# Altium PCB DoubleMain.PcbDoc (part 1 of 3)
Units mm, origin at the board's own origin, x right, y up, seen from the top; angles counter-clockwise.
Board outline 152.4 x 101.6 mm, 2 copper layers (Top Layer, Bottom Layer); 202 components, 0 nets, 741 pads, 650 vias.
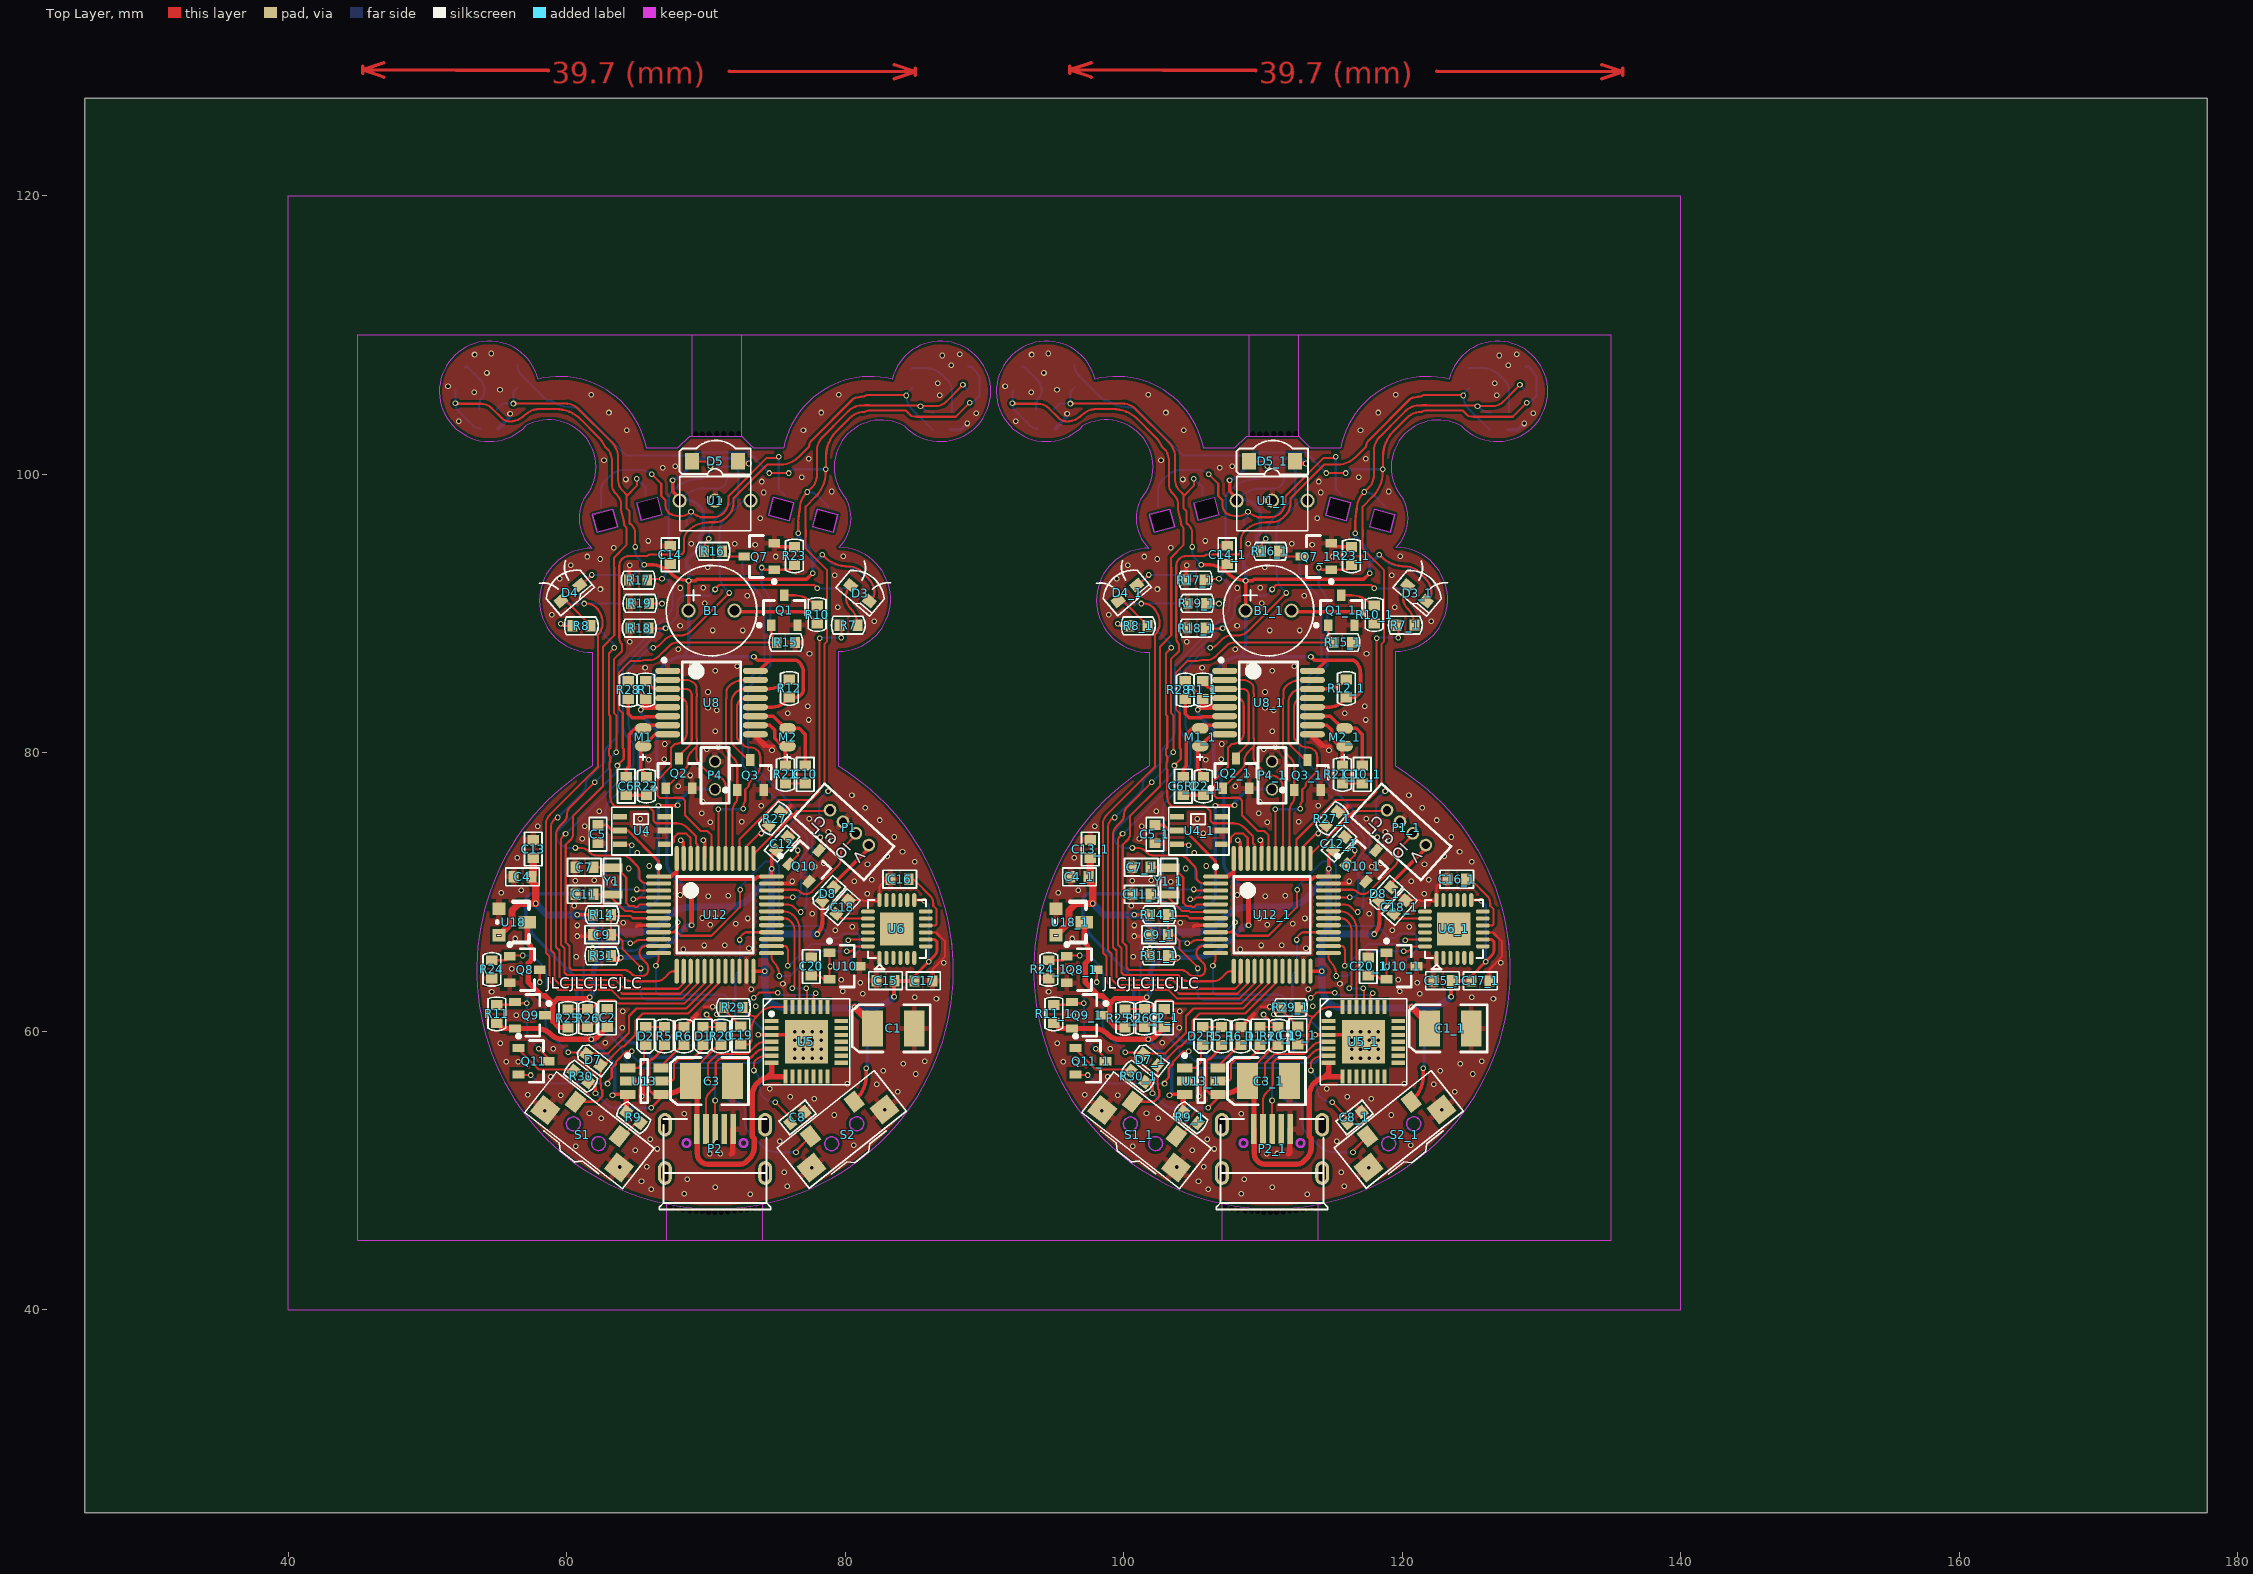
[diagram p0: Top Layer view]
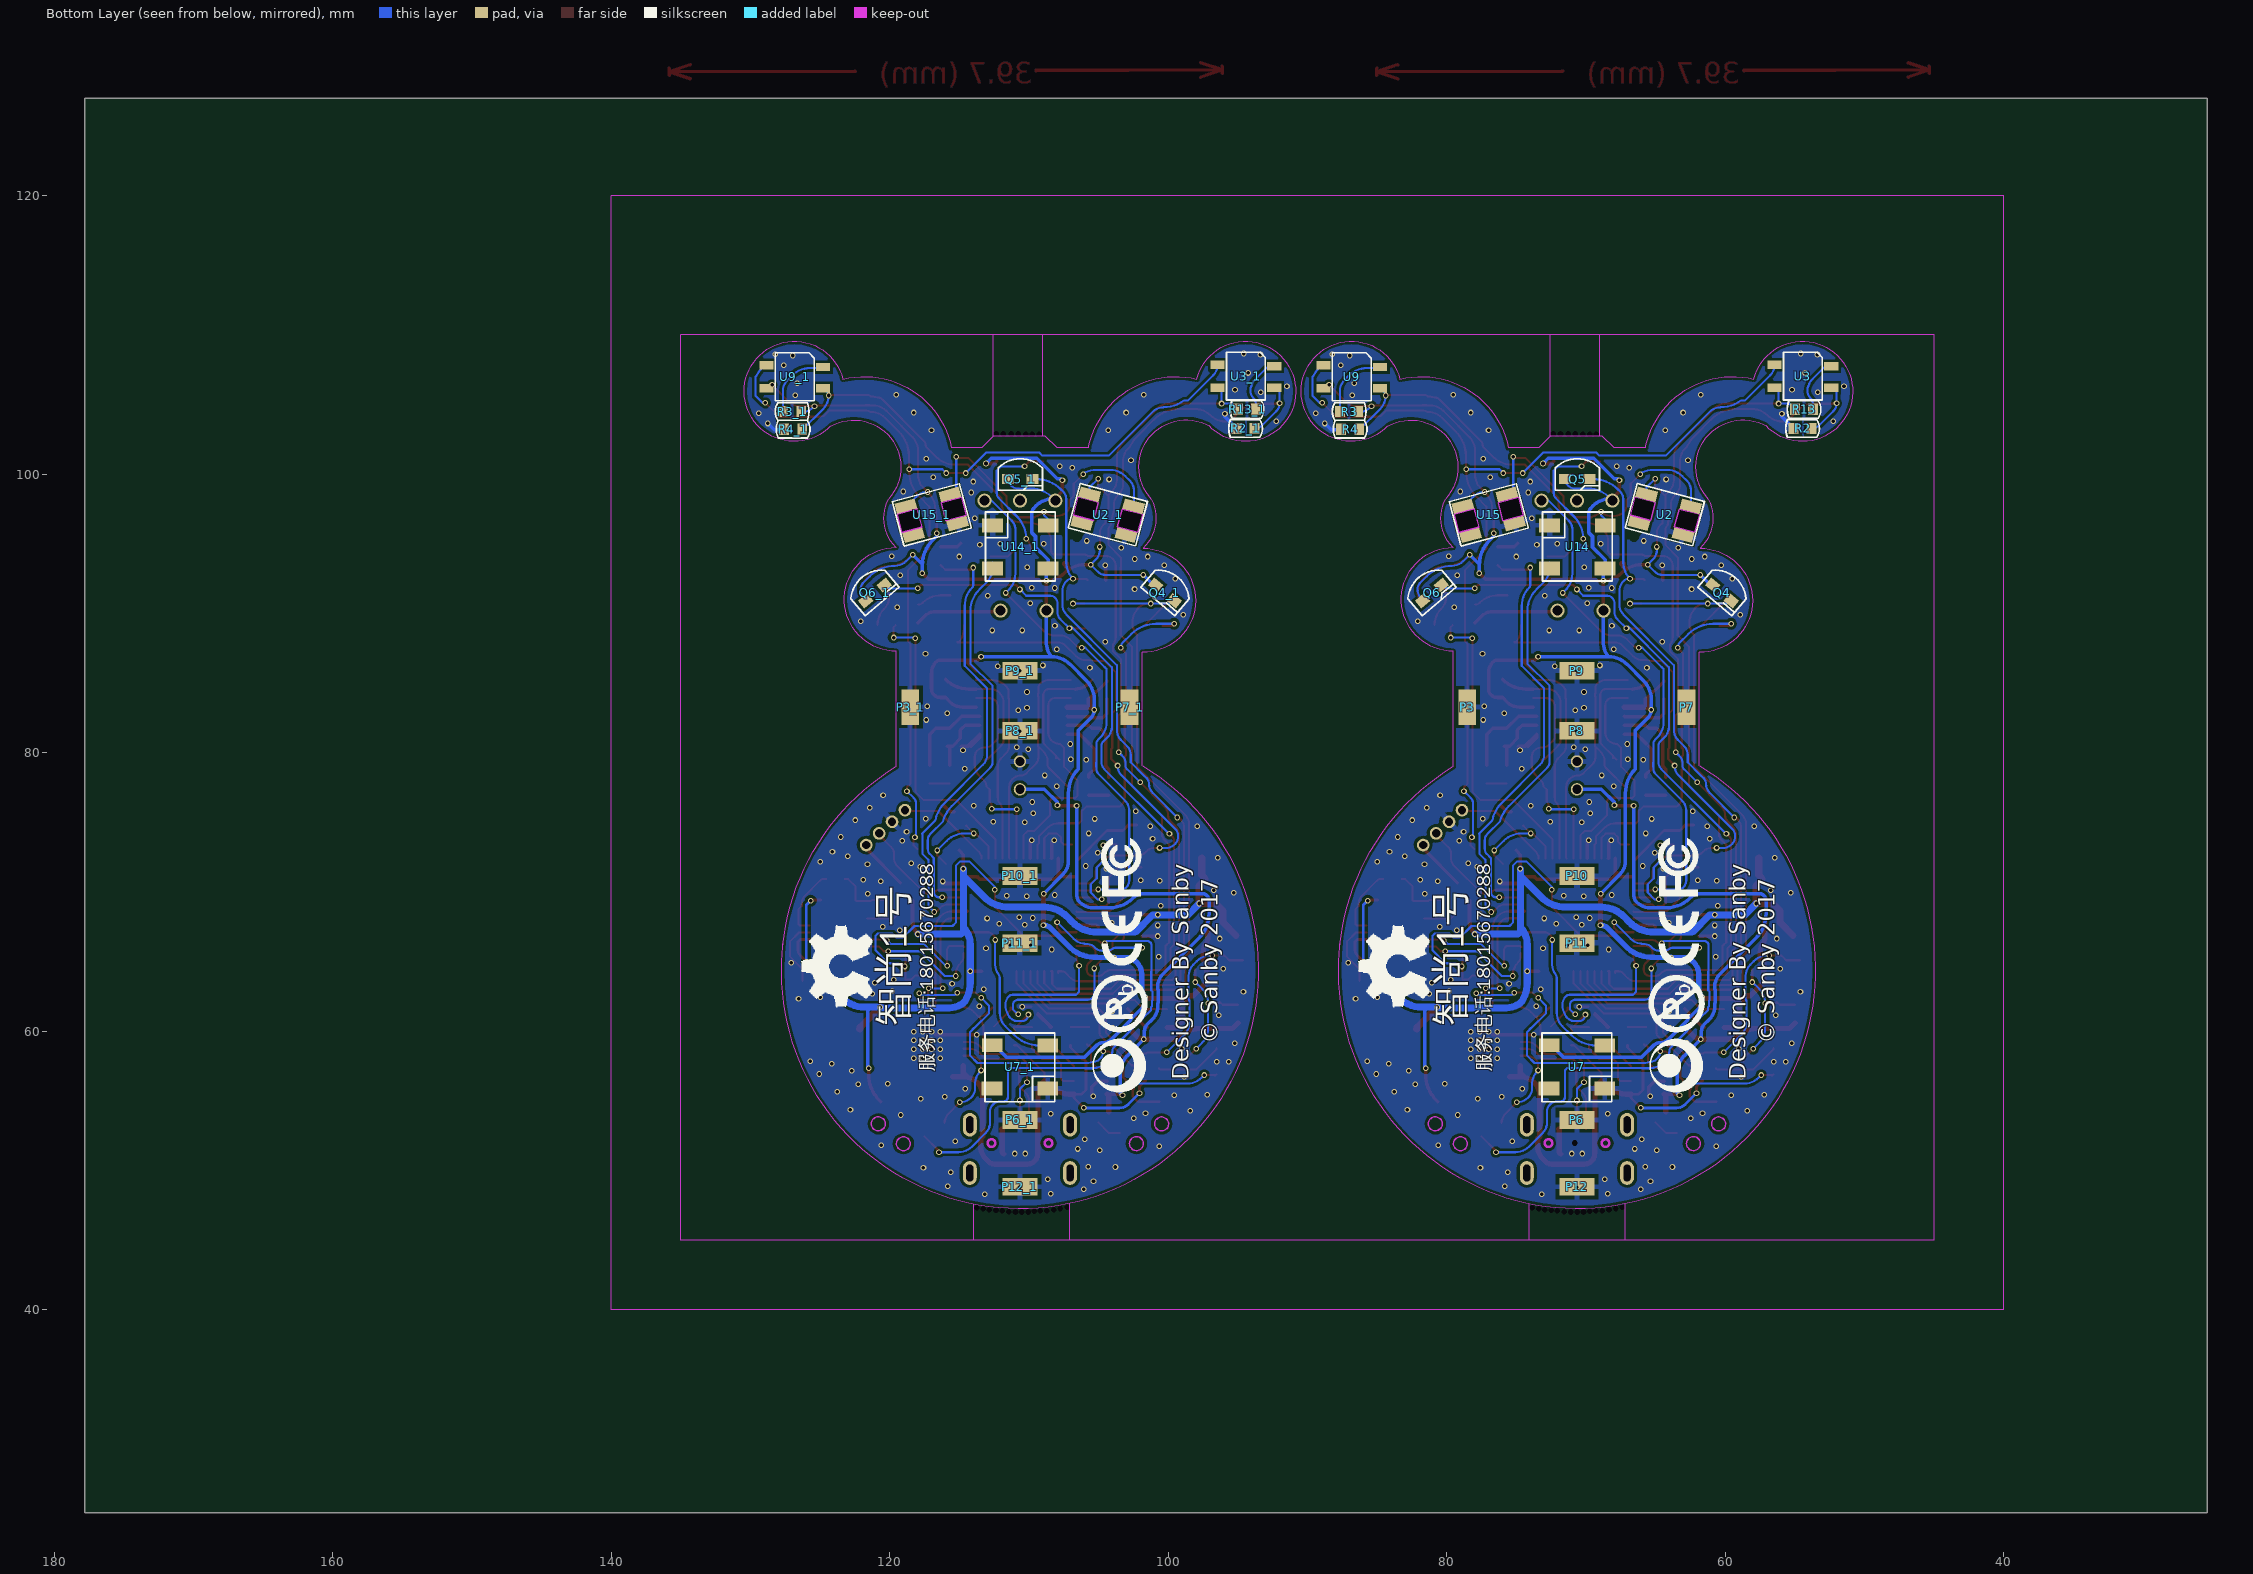
[diagram p1: Bottom Layer view, seen from below]

## Layer stack, top to bottom
Top Solder: solder mask 0.0102, Solder Resist, Dk 3.5
Top Layer: signal copper 0.0356
Dielectric 1: dielectric 0.32, FR-4, Dk 4.8
Bottom Layer: signal copper 0.0356
Bottom Solder: solder mask 0.0102, Solder Resist, Dk 3.5

## Board outline
25.4,25.4 177.8,25.4 177.8,127 25.4,127
cut-out: 118.012,97.503 119.474,97.111 119.139,95.809 117.664,96.204
cut-out: 114.845,98.349 114.5,97.064 115.97,96.67 116.314,97.956
cut-out: 105.016,97.962 106.484,98.355 106.832,97.058 105.364,96.665
cut-out: 101.85,97.108 102.191,95.837 103.668,96.219 103.319,97.497
cut-out: 78.012,97.503 79.474,97.111 79.139,95.809 77.664,96.204
cut-out: 74.845,98.349 74.5,97.064 75.97,96.67 76.314,97.956
cut-out: 65.016,97.962 66.484,98.355 66.832,97.058 65.364,96.665
cut-out: 61.85,97.108 62.191,95.837 63.668,96.219 63.319,97.497

## Design rules (kind name [scope] priority, off if disabled: settings)
Clearance [All] p1: gap=0.254
PolygonConnect [All] p1: connectstyle=Relief reliefconductorwidth=0.254 reliefentries=4 polygonreliefangle="90 Angle" airgapwidth=0.254
RoutingVias [All] p1: holewidth=0.711 width=1.27 viastyle="Through Hole" minholewidth=0.711 minwidth=1.27 maxholewidth=0.711 maxwidth=1.27
SolderMaskExpansion [All] p1: expansion=0.102
Width [All] p1: maxlimit=0.254 minlimit=0.254 preferedwidth=0.254
30 further rules are at their usual default settings.

## Components (designator, comment, footprint, x,y, rotation, side; value= is the part's Value field where it differs from the comment)
B1 "BEEP" BEEP 70.399,90.201 r0 top
B1_1 "BEEP" BEEP 110.399,90.201 r0 top (schematic designator B1)
C1 "100uF" 3.5X2.8X1.9 83.454,60.203 r180 top
C1_1 "100uF" 3.5X2.8X1.9 123.454,60.203 r180 top (schematic designator C1)
C2 "1uF" C0603 62.917,60.949 r270 top
C2_1 "1uF" C0603 102.917,60.949 r270 top (schematic designator C2)
C3 "100uF" 3.5X2.8X1.9 70.399,56.419 r180 top
C3_1 "100uF" 3.5X2.8X1.9 110.399,56.419 r180 top (schematic designator C3)
C4 "1uF" C0603 56.82,71.086 r180 top
C4_1 "1uF" C0603 96.82,71.086 r180 top (schematic designator C4)
C5 "1uF" C0603 62.245,74.148 r270 top
C5_1 "1uF" C0603 102.245,74.148 r270 top (schematic designator C5)
C6 "1uF" C0603 64.277,77.602 r270 top
C6_1 "1uF" C0603 104.277,77.602 r270 top (schematic designator C6)
C7 "20pF" C0603 61.262,71.776 r0 top
C7_1 "20pF" C0603 101.262,71.776 r0 top (schematic designator C7)
C8 "1uF" C0603 76.571,53.802 r218.5 top
C8_1 "1uF" C0603 116.571,53.802 r218.5 top (schematic designator C8)
C9 "0.1uF" C0603 62.525,66.934 r0 top
C9_1 "0.1uF" C0603 102.525,66.934 r0 top (schematic designator C9)
C10 "1uF" C0603 77.13,78.44 r270 top
C10_1 "1uF" C0603 117.13,78.44 r270 top (schematic designator C10)
C11 "20pF" C0603 61.269,69.83 r0 top
C11_1 "20pF" C0603 101.268,69.83 r0 top (schematic designator C11)
C12 "1uF" C0603 75.457,73.471 r48 top
C12_1 "1uF" C0603 115.457,73.471 r48 top (schematic designator C12)
C13 "1uF" C0603 57.597,73.081 r90 top (schematic designator C4)
C13_1 "1uF" C0603 97.597,73.081 r90 top (schematic designator C4)
C14 "1uF" C0603 67.427,94.214 r270 top
C14_1 "1uF" C0603 107.427,94.214 r270 top (schematic designator C14)
C15 "1uF" C0603 82.896,63.632 r180 top
C15_1 "1uF" C0603 122.896,63.632 r180 top (schematic designator C15)
C16 "0.1uF" C0603 83.912,70.922 r180 top
C16_1 "0.1uF" C0603 123.912,70.922 r180 top (schematic designator C16)
C17 "1uF" C0603 85.613,63.607 r0 top
C17_1 "1uF" C0603 125.613,63.607 r0 top (schematic designator C17)
C18 "2.2nF" C0603 79.797,68.915 r48 top
C18_1 "2.2nF" C0603 119.797,68.915 r48 top (schematic designator C18)
C19 "1uF" C0603 72.507,59.695 r270 top
C19_1 "1uF" C0603 112.507,59.695 r270 top (schematic designator C19)
C20 "1uF" C0603 77.562,64.648 r90 top
C20_1 "1uF" C0603 117.562,64.648 r90 top (schematic designator C20)
D1 "LED2" LED 69.789,59.644 r270 top
D1_1 "LED2" LED 109.789,59.644 r270 top (schematic designator D1)
D2 "LED2" LED 65.674,59.644 r270 top
D2_1 "LED2" LED 105.674,59.644 r270 top (schematic designator D2)
D3 "LED" 0802 81.067,91.445 r320 top
D3_1 "LED" 0802 121.067,91.445 r320 top (schematic designator D3)
D4 "LED" 0802 60.264,91.471 r40 top
D4_1 "LED" 0802 100.264,91.471 r40 top (schematic designator D4)
D5 "IR12-21C/TR8" 1206 72.31,100.921 r180 top
D5_1 "IR12-21C/TR8" 1206 112.31,100.921 r180 top (schematic designator D5)
D7 "RB520-S30" LED 61.916,57.954 r142 top
D7_1 "RB520-S30" LED 101.916,57.954 r142 top (schematic designator D7)
D8 "RB520-S30" LED 78.762,69.859 r228 top
D8_1 "RB520-S30" LED 118.762,69.859 r228 top (schematic designator D8)
M1 "Header 2" PAD2 65.497,81.107 r270 top
M1_1 "Header 2" PAD2 105.497,81.107 r270 top (schematic designator M1)
M2 "Header 2" PAD2 75.86,81.107 r270 top
M2_1 "Header 2" PAD2 115.86,81.107 r270 top (schematic designator M2)
P1 "Header 4" SIP1.25-4 80.33,74.63 r318 top
P1_1 "Header 4" SIP1.25-4 120.33,74.63 r318 top (schematic designator P1)
P2 "USB" MICROUSB4 70.653,49.815 r90 top locked
P2_1 "USB" MICROUSB4 110.653,49.815 r90 top locked (schematic designator P2)
P3 "TestPad" MOTO#1 77.714,83.368 r90 bottom locked
P3_1 "TestPad" MOTO#1 117.714,83.368 r90 bottom locked (schematic designator P3)
P4 "Header 2.0X2" HEAD2.0 70.653,78.371 r90 top
P4_1 "Header 2.0X2" HEAD2.0 110.653,78.371 r90 top (schematic designator P4)
P6 "TestPad" PAD#1 70.653,53.625 r180 top
P6_1 "TestPad" PAD#1 110.653,53.625 r180 top (schematic designator P6)
P7 "TestPad" MOTO#2 62.779,83.343 r270 bottom locked
P7_1 "TestPad" MOTO#2 102.779,83.343 r270 bottom locked (schematic designator P7)
P8 "TestPad" PAD#2 70.145,81.565 r180 bottom
P8_1 "TestPad" PAD#2 110.145,81.565 r180 bottom (schematic designator P8)
P9 "TestPad" PAD#3 70.399,85.883 r180 bottom
P9_1 "TestPad" PAD#3 110.399,85.883 r180 bottom (schematic designator P9)
P10 "TestPad" PAD#1 70.653,71.151 r180 top
P10_1 "TestPad" PAD#1 110.653,71.151 r180 top (schematic designator P10)
P11 "TestPad" PAD#4 70.907,66.325 r0 top
P11_1 "TestPad" PAD#4 110.907,66.325 r0 top (schematic designator P11)
P12 "TestPad" PAD#1 70.653,48.824 r180 top
P12_1 "TestPad" PAD#1 110.653,48.824 r180 top (schematic designator P12)
Q1 "SI2302" SOT-23_L 75.627,90.228 r90 top
Q1_1 "SI2302" SOT-23_L 115.627,90.228 r90 top (schematic designator Q1)
Q2 "SI2302" SOT-23_L 68.062,78.517 r90 top
Q2_1 "SI2302" SOT-23_L 108.062,78.517 r90 top (schematic designator Q2)
Q3 "SI2302" SOT-23_L 73.193,78.39 r90 top
Q3_1 "SI2302" SOT-23_L 113.193,78.39 r90 top (schematic designator Q3)
Q4 "PTSMD021" EYE 60.239,91.471 r220 bottom
Q4_1 "PTSMD021" EYE 100.239,91.471 r220 bottom (schematic designator Q4)
Q5 "PTSMD021" EYE 70.627,99.649 r180 bottom
Q5_1 "PTSMD021" EYE 110.627,99.649 r180 bottom (schematic designator Q5)
Q6 "PTSMD021" EYE 81.067,91.471 r140 bottom
Q6_1 "PTSMD021" EYE 121.067,91.471 r140 bottom (schematic designator Q6)
Q7 "SI2302" SOT-23_L 73.828,94.087 r180 top
Q7_1 "SI2302" SOT-23_L 113.828,94.087 r180 top (schematic designator Q7)
Q8 "SI2302" SOT-23_L 56.988,64.42 r0 top
Q8_1 "SI2302" SOT-23_L 96.988,64.42 r0 top (schematic designator Q8)
Q9 "AO3401" SOT23_L 57.369,61.143 r0 top
Q9_1 "AO3401" SOT23_L 97.369,61.143 r0 top (schematic designator Q9)
Q10 "SI2302" SOT-23_L 77.398,72.176 r48 top
Q10_1 "SI2302" SOT-23_L 117.398,72.176 r48 top (schematic designator Q10)
Q11 "SI2302" SOT-23_L 57.623,57.841 r0 top
Q11_1 "SI2302" SOT-23_L 97.623,57.841 r0 top (schematic designator Q11)
R1 "100k" R0603 65.674,84.511 r270 top
R1_1 "100k" R0603 105.674,84.511 r270 top (schematic designator R1)
R2 "47k" R0603 54.448,103.282 r180 bottom
R2_1 "47k" R0603 94.448,103.282 r180 bottom (schematic designator R2)
R3 "470" R0603 87.01,104.501 r0 bottom
R3_1 "470" R0603 127.01,104.501 r0 bottom (schematic designator R3)
R4 "47k" R0603 86.934,103.231 r180 bottom
R4_1 "47k" R0603 126.934,103.231 r180 bottom (schematic designator R4)
R5 "2k" R0603 67.021,59.644 r270 top
R5_1 "2k" R0603 107.021,59.644 r270 top (schematic designator R5)
R6 "2k" R0603 68.418,59.644 r270 top
R6_1 "2k" R0603 108.418,59.644 r270 top (schematic designator R6)
R7 "1k" R0603 80.229,89.159 r0 top
R7_1 "1k" R0603 120.229,89.159 r0 top (schematic designator R7)
R8 "1k" R0603 61.052,89.108 r0 top
R8_1 "1k" R0603 101.052,89.108 r0 top (schematic designator R8)
R9 "10" R0603 64.785,53.802 r142 top
R9_1 "10" R0603 104.785,53.802 r142 top (schematic designator R9)
R10 "10" R0603 77.986,89.914 r270 top
R10_1 "10" R0603 117.985,89.914 r270 top (schematic designator R10)
R11 "10K" R0603 54.981,61.245 r270 top
R11_1 "10K" R0603 94.981,61.245 r270 top (schematic designator R11)
R12 "100k" R0603 75.987,84.613 r270 top
R12_1 "100k" R0603 115.987,84.613 r270 top (schematic designator R12)
R13 "470" R0603 54.346,104.653 r180 bottom
R13_1 "470" R0603 94.346,104.653 r180 bottom (schematic designator R13)
R14 "10K" R0603 62.525,68.357 r180 top
R14_1 "10K" R0603 102.525,68.357 r180 top (schematic designator R14)
R15 "100k" R0603 75.733,87.915 r180 top
R15_1 "100k" R0603 115.733,87.915 r180 top (schematic designator R15)
R16 "330" R0603 70.5,94.468 r180 top
R16_1 "330" R0603 110.5,94.468 r180 top (schematic designator R16)
R17 "47k" R0603 65.137,92.395 r180 top
R17_1 "47k" R0603 105.137,92.395 r180 top (schematic designator R17)
R18 "47k" R0603 65.209,88.948 r180 top
R18_1 "47k" R0603 105.209,88.948 r180 top (schematic designator R18)
R19 "47k" R0603 65.248,90.716 r180 top
R19_1 "47k" R0603 105.248,90.716 r180 top (schematic designator R19)
R20 "2k" R0603 71.085,59.644 r270 top
R20_1 "2k" R0603 111.085,59.644 r270 top (schematic designator R20)
R21 "10" R0603 75.707,78.44 r270 top
R21_1 "10" R0603 115.707,78.44 r270 top (schematic designator R21)
R22 "10" R0603 65.725,77.602 r270 top
R22_1 "10" R0603 105.725,77.602 r270 top (schematic designator R22)
R23 "100k" R0603 76.355,94.127 r270 top
R23_1 "100k" R0603 116.355,94.127 r270 top (schematic designator R23)
R24 "100k" R0603 54.625,64.445 r90 top
R24_1 "100k" R0603 94.625,64.445 r90 top (schematic designator R24)
R25 "100k" R0603 60.088,60.916 r270 top
R25_1 "100k" R0603 100.088,60.916 r270 top (schematic designator R25)
R26 "100k" R0603 61.495,60.944 r90 top
R26_1 "100k" R0603 101.495,60.944 r90 top (schematic designator R26)
R27 "100k" R0603 74.943,75.266 r228 top
R27_1 "100k" R0603 114.943,75.266 r228 top (schematic designator R27)
R28 "1" R0603 64.43,84.511 r90 top
R28_1 "1" R0603 104.43,84.511 r90 top (schematic designator R28)
R29 "100k" R0603 71.974,61.702 r180 top
R29_1 "100k" R0603 111.974,61.702 r180 top (schematic designator R29)
R30 "10k" R0603 61.026,56.749 r322 top
R30_1 "10k" R0603 101.026,56.749 r322 top (schematic designator R30)
R31 "1k" R0603 62.525,65.41 r0 top
R31_1 "1k" R0603 102.525,65.41 r0 top (schematic designator R31)
S1 "SW-PB" BUTTON 61.382,52.634 r232 top
S1_1 "SW-PB" BUTTON 101.382,52.634 r232 top (schematic designator S1)
S2 "SW-PB" BUTTON 79.924,52.634 r308.5 top (schematic designator S1)
S2_1 "SW-PB" BUTTON 119.924,52.634 r308.5 top (schematic designator S1)
U1 "VS1838" IR38 70.653,98.1 r0 top
U1_1 "VS1838" IR38 110.653,98.1 r0 top (schematic designator U1)
U2 "RGB50" "HV-EYE - DUPLICATE" 64.328,97.084 r15 top
U2_1 "RGB50" "HV-EYE - DUPLICATE" 104.328,97.084 r15 top (schematic designator U2)
U3 "ITR8307" ITR8307 54.422,107.041 r0 bottom
U3_1 "ITR8307" ITR8307 94.422,107.041 r0 bottom (schematic designator U3)
U4 "SHT21" SHT20 65.725,74.199 r0 top
U4_1 "SHT21" SHT20 105.725,74.199 r0 top (schematic designator U4)
U5 "CP2102" QFN-28 74.717,60.737 r0 top
U5_1 "CP2102" QFN-28 114.717,60.737 r0 top (schematic designator U5)
U6 "MPU-6050_QFN24" QFN24 83.708,67.341 r0 top
U6_1 "MPU-6050_QFN24" QFN24 123.708,67.341 r0 top (schematic designator U6)
U7 "RGB50" WS2812 70.653,57.435 r180 bottom
U7_1 "RGB50" WS2812 110.653,57.435 r180 bottom (schematic designator U7)
U8 "tb6552fng" SSOP16_L 70.399,83.597 r0 top
U8_1 "tb6552fng" SSOP16_L 110.399,83.597 r0 top (schematic designator U8)
U9 "ITR8307" ITR8307 86.816,106.998 r0 bottom
U9_1 "ITR8307" ITR8307 126.816,106.998 r0 bottom (schematic designator U9)
U10 "TL431" SOT-23_L 79.949,64.674 r0 top
U10_1 "TL431" SOT-23_L 119.949,64.674 r0 top (schematic designator U10)
U12 "STM32F103C8T6" LQFP48_N 70.653,68.357 r0 top locked
U12_1 "STM32F103C8T6" LQFP48_N 110.653,68.357 r0 top locked (schematic designator U12)
U13 "TP4057" SOT23-6_N 65.573,56.419 r0 top
U13_1 "TP4057" SOT23-6_N 105.573,56.419 r0 top (schematic designator U13)
U14 "RGB50" WS2812 70.622,94.773 r0 bottom
U14_1 "RGB50" WS2812 110.622,94.773 r0 bottom (schematic designator U14)
U15 "RGB50" "HV-EYE - DUPLICATE" 76.977,97.084 r345 top
U15_1 "RGB50" "HV-EYE - DUPLICATE" 116.977,97.084 r345 top (schematic designator U15)
U18 "AP2121-3.3" SOT-23 55.133,68.788 r90 top
U18_1 "AP2121-3.3" SOT-23 95.133,68.788 r90 top (schematic designator U18)
Y1 "8M" 16MHZ 62.662,72.41 r270 top
Y1_1 "8M" 16MHZ 102.662,72.41 r270 top (schematic designator Y1)

## Footprints (in the part's own frame and the unit in brackets; to place one, negate y for a bottom-side part, rotate by r counter-clockwise, add the part's x,y. Pads: shape width x height; smd on the part's side, far side on the other; paste and mask are expansions set on the pad)
3.5X2.8X1.9 [mm] "SM LED; 2 C-Bend Leads; Body 3.5 x 2.8 x 1.9 mm, inc leads (LxWxH typ)"
  rect 1.5x2.6 smd: 1(-1.5,0) 2(1.5,0)
  silkscreen extent -2.65,-1.7 2.95,1.7, body extent -1.85,-1.47 1.85,1.46, height 2.03
16MHZ [mm]
  rect 0.6x1.5 smd: 1(0.66,0.584) 2(2.591,0.584)
  silkscreen extent 0,-0.03 3.25,1.19, body extent 0.03,-0.08 3.23,1.22, height 1.02
0802 [mil]
  rect 34x28 smd: 1(-34.45,0) 2(34.45,0)
  silkscreen extent -63,-31 63,79, body extent -39,-15 39,17, height 47
1206 [mm]
  rect 1x1.2 smd: 1(0,0) 2(3.3,0)
  silkscreen extent -0.91,-1.51 4.22,0.94
BEEP [mil]
  round 40 hole 28: 1(-64.96,0) 2(64.96,0)
  silkscreen extent -128,-128 128,128, body extent -130,-130 130,130, height 144
BUTTON [mm]
  rect 1.3x1 smd: 1(-1.35,2) 2(-1.35,-2)
  rect 1.5x1.6 smd: 3(0.45,-3.35) 4(0.45,3.35)
  Keep-Out Layer circle w0.1: c0,1.15 r0.5
  Keep-Out Layer lines w0.1: 0.5,-1.15 cw(c0,-1.15) 0.498,-1.108
  silkscreen extent -2.2,-4.4 2.1,4.5, body extent -1.52,-3.3 2.41,3.4, height 2.54
C0603 [mil]
  rect 28x32 smd: 1(-25.59,0) 2(25.59,0)
  silkscreen extent -48,-25 48,25, body extent -31,-15 31,16, height 20
EYE [mil]
  rect 34x28 smd: 1(-34.45,0) 2(34.45,0)
  silkscreen extent -63,-32 63,57, body extent -39,-15 39,17, height 47
HEAD2.0 [mil] "Connector; Header; 2 Position"
  round 35 hole 26: 1(-39.37,0) 2(39.37,0)
  silkscreen extent -79,-39 79,39, body extent -76,-39 82,40, height 326
"HV-EYE - DUPLICATE" [mm]
  rect 1.5x0.8 smd far side: 1(1.651,1.067) 2(1.651,-1.067) 3(-1.626,-1.067) 4(-1.626,1.067)
  Keep-Out Layer pour cut-out: 0.892,0.66 2.415,0.66 2.415,-0.66 0.892,-0.66
  Keep-Out Layer pour cut-out: -2.388,0.66 -0.866,0.66 -0.866,-0.66 -2.388,-0.66
  Keep-Out Layer lines w0.02: -2.388,0.66 -2.388,-0.66 -0.867,-0.66 -0.867,0.66 -2.388,0.66 ; 0.891,0.66 2.411,0.66 2.411,-0.66 0.891,-0.66 0.891,0.66
  body extent -2.5,-2.35 2.5,0.64, height 5.39
IR38 [mil]
  round 40 hole 28: 1(100,0) 2(0,0) 3(-100,0)
  silkscreen extent -100,-85 101,90, body extent -138,-100 138,161, height 327
ITR8307 [mil]
  rect 40x23.62 smd: 1(80,-32.5) 2(-80,-27.5) 3(80,32.5) 4(-80,32.5)
  silkscreen extent -55,-68 55,68, body extent -55,-65 55,65, height 20
LED [mil]
  rect 28x32 smd: 1(-25.59,0) 2(25.59,0)
  silkscreen extent -48,-25 48,25, body extent -31,-15 32,16, height 18
LQFP48_N [mm]
  oval 1.8x0.3 smd: 1(-4.05,2.75) 2(-4.05,2.25) 3(-4.05,1.75) 4(-4.05,1.25) 5(-4.05,0.75) 6(-4.05,0.25) 7(-4.05,-0.25) 8(-4.05,-0.75) 9(-4.05,-1.25) 10(-4.05,-1.75) 11(-4.05,-2.25) 12(-4.05,-2.75) 25(4.05,-2.75) 26(4.05,-2.25) 27(4.05,-1.75) 28(4.05,-1.25) 29(4.05,-0.75) 30(4.05,-0.25) 31(4.05,0.25) 32(4.05,0.75) 33(4.05,1.25) 34(4.05,1.75) 35(4.05,2.25) 36(4.05,2.75)
  oval 0.3x1.8 smd: 13(-2.75,-4.05) 14(-2.25,-4.05) 15(-1.75,-4.05) 16(-1.25,-4.05) 17(-0.75,-4.05) 18(-0.25,-4.05) 19(0.25,-4.05) 20(0.75,-4.05) 21(1.25,-4.05) 22(1.75,-4.05) 23(2.25,-4.05) 24(2.75,-4.05) 37(2.75,4.05) 38(2.25,4.05) 39(1.75,4.05) 40(1.25,4.05) 41(0.75,4.05) 42(0.25,4.05) 43(-0.25,4.05) 44(-0.75,4.05) 45(-1.25,4.05) 46(-1.75,4.05) 47(-2.25,4.05) 48(-2.75,4.05)
  silkscreen extent -4.17,-2.75 2.75,3.57, body extent -4.5,-4.5 4.5,4.5, height 1.5
MICROUSB4 [mm] "四个固定角"
  rect 2.15x0.4 smd: 1(3.16,1.3) 2(3.16,0.65) 3(3.16,0) 4(3.16,-0.65) 5(3.16,-1.3)
  oval 1.7x1 hole 0.5 slot 1.2 at 0 deg: 6(0,3.6) 7(3.47,3.6) 8(0,-3.6) 9(3.47,-3.6)
  Keep-Out Layer circle w0.178: c2.15,-2.05 r0.275
  Keep-Out Layer circle w0.178: c2.15,2.05 r0.275
  silkscreen extent -2.62,-4 3.87,4, body extent -1.94,-4.4 3.66,4.4, height 2.74
MOTO#1 [mil]
  rect 100x50 smd: 1(-3.68,32)
  body extent -137,-195 139,720, height 388
MOTO#2 [mil]
  rect 100x50 smd: 1(2.68,0)
  body extent -137,-195 139,720, height 388
PAD#1 [mm]
  rect 2.54x1.27 smd far side: 1(0,0)
PAD#2 [mm]
  rect 2.54x1.27 smd: 1(-0.508,0)
PAD#3 [mm]
  rect 2.54x1.27 smd: 1(-0.254,0)
PAD#4 [mm]
  rect 2.54x1.27 smd far side: 1(-0.254,0)
PAD2 [mm]
  oval 0.762x1.2 smd: 1(-0.635,0) 2(0.635,0)
  silkscreen extent 1.23,-0.23 1.63,0.17
QFN24 [mm]
  oval 0.3x1 smd: 1(-1.25,-2.075) 2(-0.75,-2.075) 3(-0.25,-2.075) 4(0.25,-2.075) 5(0.75,-2.075) 6(1.25,-2.075) 13(1.25,2.075) 14(0.75,2.075) 15(0.25,2.075) 16(-0.25,2.075) 17(-0.75,2.075) 18(-1.25,2.075)
  oval 1x0.3 smd: 7(2.075,-1.25) 8(2.075,-0.75) 9(2.075,-0.25) 10(2.075,0.25) 11(2.075,0.75) 12(2.075,1.25) 19(-2.075,1.25) 20(-2.075,0.75) 21(-2.075,0.25) 22(-2.075,-0.25) 23(-2.075,-0.75) 24(-2.075,-1.25)
  rect 2.4x2.4 smd: 25(0,0)
  silkscreen extent -2.08,-2.89 2.08,2.08, body extent -2.01,-2.01 2.03,2.03, height 0.88
QFN-28 [mm]
  rect 3.1x3.1 smd: 0(2.5,-1.5)
  rect 1x0.3 smd: 1(0,0) 2(0,-0.5) 3(0,-1) 4(0,-1.5) 5(0,-2) 6(0,-2.5) 7(0,-3) 15(5,-3) 16(5,-2.5) 17(5,-2) 18(5,-1.5) 19(5,-1) 20(5,-0.5) 21(5,0)
  rect 0.3x1 smd: 8(1,-4) 9(1.5,-4) 10(2,-4) 11(2.5,-4) 12(3,-4) 13(3.5,-4) 14(4,-4) 22(4,1) 23(3.5,1) 24(3,1) 25(2.5,1) 26(2,1) 27(1.5,1) 28(1,1)
  silkscreen extent -0.6,-4.6 5.6,1.6, body extent 0,-4 5,1, height 1
R0603 [mil]
  rect 28x32 smd: 1(-25.59,0) 2(25.59,0)
  silkscreen extent -48,-25 48,25, body extent -31,-16 31,15, height 18
SHT20 [mm]
  rect 0.9x0.4 smd: 1(1.278,-0.787)
  rect 1x0.4 smd: 2(1.294,0.213) 3(1.294,1.213) 4(-1.906,1.213) 5(-1.906,0.213) 6(-1.906,-0.787)
  silkscreen extent -2.49,-1.55 1.83,1.88, body extent -1.89,-1.27 1.13,1.73, height 1.14
SIP1.25-4 [mil]
  oval 35.43x36 hole 23.62: 1(-74.43,-1) 2(-25.21,-1) 3(24,-1) 4(73.21,-1)
  silkscreen extent -136,-84 129,44, body extent -135,-83 131,43, height 76
SOT23-6_N [mm] "SOT23, 6-Leads, Body 2.9x1.6mm, Pitch 0.95mm, Lead Span 2.7mm, IPC Medium Density"
  rect 1.1x0.65 smd: 1(-1.2,0.95) 2(-1.2,0) 3(-1.2,-0.95) 4(1.2,-0.95) 5(1.2,0) 6(1.2,0.95)
  silkscreen extent -1.32,-1.55 0.25,1.95, body extent -1.5,-1.5 1.5,1.5, height 1.3
SOT23_L [mm] "SOT23, 3-Leads, Body 2.9x1.3mm, Pitch 0.95mm, Lead Span 2.3mm - Reverse Pinning, IPC High Density"
  rect 0.85x0.6 smd: 1(1.075,0) 2(-1.075,-0.95) 3(-1.075,0.95)
  silkscreen extent -0.3,-1.5 1.48,1.5, body extent -0.7,-1.5 0.7,1.5, height 1.1
SOT-23 [mil]
  rect 36x36 smd: 1(0,0) 2(-75,0)
  rect 36x50 smd: 3(-38,-80)
  silkscreen extent -95,-85 20,5, body extent -94,-89 24,9, height 42
SOT-23_L [mm] "SOT23, 3-Leads, Body 2.9x1.3mm, Pitch 0.95mm, Lead Span 2.5mm, IPC High Density"
  rect 0.85x0.6 smd: 1(-1.075,0.95) 2(-1.075,-0.95) 3(1.075,0)
  silkscreen extent -1.2,-1.5 0.7,1.92, body extent -1.25,-1.5 1.25,1.5, height 1.06
SSOP16_L [mm] "SOP, 16-Leads, Body 6.2x5.3mm, Pitch 0.65mm, IPC High Density"
  oval 1.8x0.45 smd: 1(-3.146,2.275) 2(-3.146,1.625) 3(-3.146,0.975) 4(-3.146,0.325) 5(-3.146,-0.325) 6(-3.146,-0.975) 7(-3.146,-1.625) 8(-3.146,-2.275) 9(3.146,-2.275) 10(3.146,-1.625) 11(3.146,-0.975) 12(3.146,-0.325) 13(3.146,0.325) 14(3.146,0.975) 15(3.146,1.625) 16(3.146,2.275)
  silkscreen extent -3.52,-2.92 2.1,3.17, body extent -3.2,-2.5 3.2,2.5, height 1.2
WS2812 [mm]
  rect 1.5x1 smd: 1(-1.992,1.556) 2(-2,-1.555) 3(2,-1.555) 4(2,1.545)
  silkscreen extent -2.5,-2.51 2.5,2.44, body extent -2.7,-2.5 2.7,2.5, height 1.7

## Part data
B1 B1_1: "最小蜂鸣器6MM 6038 6035电磁式蜂鸣器 6*3.5 6*3.8MM 无源 交流"
C1 C1_1 C2 C2_1 C3 C3_1 C4 C4_1 C5 C5_1 C6 C6_1 C10 C10_1 C12 C12_1 C13 C13_1 C14 C14_1 C15 C15_1 C16 C16_1 C17 C17_1 C18 C18_1 C19 C19_1 C20 C20_1: library part Cap, "贴片电容"
C7 C7_1 C11 C11_1: library part C, "叠层贴片电容"
C8 C8_1: library part CAP, "贴片电容"
C9 C9_1: library part CAP, "电容"
D1 D1_1: "蓝色"
D2 D2_1: "橙色"
D3 D3_1 D4 D4_1: library part LED2, "Typical RED, GREEN, YELLOW, AMBER GaAs LED"
D5 D5_1: library part LED2, "侧贴红外发射管"
D7 D7_1 D8 D8_1: library part "D Zener", "肖基特二极管"
M1 M1_1 M2 M2_1: "Header, 2-Pin"
P1 P1_1: "Header, 4-Pin"
P2 P2_1: library part "Header 5", "迈克USB 接口 4个固定脚插板固定母座-5p贴片长针 MICRO usb接口 [交易快照]"
P3 P3_1 P6 P6_1 P7 P7_1 P8 P8_1 P9 P9_1 P10 P10_1 P11 P11_1 P12 P12_1: library part Plug, "Plug"
P4 P4_1: library part "Header 2", "2.0dip连接器"
Q1 Q1_1 Q2 Q2_1 Q3 Q3_1 Q7 Q7_1 Q8 Q8_1 Q10 Q10_1 Q11 Q11_1: library part MOSFET-N, "N-Channel MOSFET"
Q4 Q4_1 Q5 Q5_1 Q6 Q6_1: library part "Photo NPN", "光线传感器"
Q9 Q9_1: library part PMOS-2, "P沟道电源开关MOS管"
R1 R1_1 R2 R2_1 R3 R3_1 R4 R4_1 R5 R5_1 R6 R6_1 R7 R7_1 R8 R8_1 R9 R9_1 R10 R10_1 R12 R12_1 R13 R13_1 R15 R15_1 R16 R16_1 R17 R17_1 R18 R18_1 R19 R19_1 R20 R20_1 R21 R21_1 R22 R22_1 R23 R23_1 R24 R24_1 R25 R25_1 R26 R26_1 R27 R27_1 R28 R28_1 R29 R29_1 R30 R30_1 R31 R31_1: library part Res2, "贴片电阻"
R11 R11_1: library part R, "贴片电阻"
R14 R14_1: library part res1, "电阻"
S1 S1_1 S2 S2_1: "3x6x3.5H 3*6*3.5贴片 侧位 按钮"
U1 U1_1: library part RF, "1838 接收头 VS1838 VS1838B"
U2 U2_1 U15 U15_1: "全彩REG灯珠PCB附件"
U3 U3_1 U9 U9_1: library part Optoisolator1, "反射式光学传感器"
U4 U4_1: "温湿度探头(缺省)"
U5 U5_1: "usb  תttl"
U6 U6_1: library part MPU06050_QFN24, "三轴陀螺仪加速度"
U7 U7_1 U14 U14_1: "WS2812全彩RGB灯珠"
U8 U8_1: "电机驱动芯片"
U10 U10_1: library part TL431AILP, "TL431BID"
U12 U12_1: "处理器"
U13 U13_1: "6pin  充电芯片  sot23-6"
U18 U18_1: library part AP2121-3, "3V LDO"
Y1 Y1_1: library part XTAL, "cstce8m00g52"

## Free pads (board coordinates)
  round 0 hole 0.4: 0(69.266,102.87) 0(109.271,102.87) 1(69.748,102.87) 1(109.753,102.87) 2(70.231,102.87) 2(110.236,102.87) 3(70.764,102.895) 3(110.769,102.895) 4(71.272,102.895) 4(111.277,102.895) 5(71.831,102.895) 5(111.836,102.895) 6(72.339,102.895) 6(112.344,102.895) 7(70.815,51.968) 8(67.386,47.346) 8(107.264,47.346) 9(67.869,47.269) 9(107.747,47.269) 10(68.351,47.168) 10(108.229,47.168) 11(68.834,47.117) 11(108.712,47.117) 12(69.317,47.092) 12(109.195,47.092) 13(69.748,47.066) 13(109.626,47.066) 14(70.18,47.015) 14(110.058,47.015) 15(70.637,47.015) 15(110.515,47.015) 16(71.095,47.015) 16(110.973,47.015) 17(71.577,47.041) 17(111.455,47.041) 18(72.06,47.092) 18(111.938,47.092) 19(72.492,47.142) 19(112.37,47.142) 20(72.974,47.168) 20(112.852,47.168) 21(73.406,47.244) 21(113.284,47.244) 22(73.863,47.32) 22(113.741,47.32)

## Via types
v1: diameter 0.406, hole 0.254, Top Layer to Bottom Layer, 332 vias
v2: diameter 0.4, hole 0.254, Top Layer to Bottom Layer, 318 vias

## Nets (pads, with @x,y where several pads share a name; then routed paths per layer and width w, separated by ;. In a path a pad name is that pad's centre, name@x,y a point inside that pad or via, vN(x,y) a via of type N, cw(c..) or ccw(c..) an arc to the next point about the centre after c; other vN are vias at no path point)
pads on no net: B1.1 B1.2 B1_1.1 B1_1.2 C1.1 C1.2 C1_1.1 C1_1.2 C2.1 C2.2 C2_1.1 C2_1.2 C3.1 C3.2 C3_1.1 C3_1.2 C4.1 C4.2 C4_1.1 C4_1.2 C5.1 C5.2 C5_1.1 C5_1.2 C6.1 C6.2 C6_1.1 C6_1.2 C7.1 C7.2 C7_1.1 C7_1.2 C8.1 C8.2 C8_1.1 C8_1.2 C9.1 C9.2 C9_1.1 C9_1.2 C10.1 C10.2 C10_1.1 C10_1.2 C11.1 C11.2 C11_1.1 C11_1.2 C12.1 C12.2 C12_1.1 C12_1.2 C13.1 C13.2 C13_1.1 C13_1.2 C14.1 C14.2 C14_1.1 C14_1.2 C15.1 C15.2 C15_1.1 C15_1.2 C16.1 C16.2 C16_1.1 C16_1.2 C17.1 C17.2 C17_1.1 C17_1.2 C18.1 C18.2 C18_1.1 C18_1.2 C19.1 C19.2 C19_1.1 C19_1.2 C20.1 C20.2 C20_1.1 C20_1.2 D1.1 D1.2 D1_1.1 D1_1.2 D2.1 D2.2 D2_1.1 D2_1.2 D3.1 D3.2 D3_1.1 D3_1.2 D4.1 D4.2 D4_1.1 D4_1.2 D5.1 D5.2 D5_1.1 D5_1.2 D7.1 D7.2 D7_1.1 D7_1.2 D8.1 D8.2 D8_1.1 D8_1.2 M1.1 M1.2 M1_1.1 M1_1.2 M2.1 M2.2 M2_1.1 M2_1.2 P1.1 P1.2 P1.3 P1.4 P1_1.1 P1_1.2 P1_1.3 P1_1.4 P2.1 P2.2 P2.3 P2.4 P2.5 P2.6 P2.7 P2.8 P2.9 P2_1.1 P2_1.2 P2_1.3 P2_1.4 P2_1.5 P2_1.6 P2_1.7 P2_1.8 P2_1.9 P3.1 P3_1.1 P4.1 P4.2 P4_1.1 P4_1.2 P6.1 P6_1.1 P7.1 P7_1.1 P8.1 P8_1.1 P9.1 P9_1.1 P10.1 P10_1.1 P11.1 P11_1.1 P12.1 P12_1.1 Q1.1 Q1.2 Q1.3 Q1_1.1 Q1_1.2 Q1_1.3 Q2.1 Q2.2 Q2.3 Q2_1.1 Q2_1.2 Q2_1.3 Q3.1 Q3.2 Q3.3 Q3_1.1 Q3_1.2 Q3_1.3 Q4.1 Q4.2 Q4_1.1 Q4_1.2 Q5.1 Q5.2 Q5_1.1 Q5_1.2 Q6.1 Q6.2 Q6_1.1 Q6_1.2 Q7.1 Q7.2 Q7.3 Q7_1.1 Q7_1.2 Q7_1.3 Q8.1 Q8.2 Q8.3 Q8_1.1 Q8_1.2 Q8_1.3 Q9.1 Q9.2 Q9.3 Q9_1.1 Q9_1.2 Q9_1.3 Q10.1 Q10.2 Q10.3 Q10_1.1 Q10_1.2 Q10_1.3 Q11.1 Q11.2 Q11.3 Q11_1.1 Q11_1.2 Q11_1.3 R1.1 R1.2 R1_1.1 R1_1.2 R2.1 R2.2 R2_1.1 R2_1.2 R3.1 R3.2 R3_1.1 R3_1.2 R4.1 R4.2 R4_1.1 R4_1.2 R5.1 R5.2 R5_1.1 R5_1.2 R6.1 R6.2 R6_1.1 R6_1.2 R7.1 R7.2 R7_1.1 R7_1.2 R8.1 R8.2 R8_1.1 R8_1.2 R9.1 R9.2 R9_1.1 R9_1.2 R10.1 R10.2 R10_1.1 R10_1.2 R11.1 R11.2 R11_1.1 R11_1.2 R12.1 R12.2 R12_1.1 R12_1.2 R13.1 R13.2 R13_1.1 R13_1.2 R14.1 R14.2 R14_1.1 R14_1.2 R15.1 R15.2 R15_1.1 R15_1.2 R16.1 R16.2 R16_1.1 R16_1.2 R17.1 R17.2 R17_1.1 R17_1.2 R18.1 R18.2 R18_1.1 R18_1.2 R19.1 R19.2 R19_1.1 R19_1.2 R20.1 R20.2 R20_1.1 R20_1.2 R21.1 R21.2 R21_1.1 R21_1.2 R22.1 R22.2 R22_1.1 R22_1.2 R23.1 R23.2 R23_1.1 R23_1.2 R24.1 R24.2 R24_1.1 R24_1.2 R25.1 R25.2 R25_1.1 R25_1.2 R26.1 R26.2 R26_1.1 R26_1.2 R27.1 R27.2 R27_1.1 R27_1.2 R28.1 R28.2 R28_1.1 R28_1.2 R29.1 R29.2 R29_1.1 R29_1.2 R30.1 R30.2 R30_1.1 R30_1.2 R31.1 R31.2 R31_1.1 R31_1.2 S1.1 S1.2 S1.3 S1.4 S1_1.1 S1_1.2 S1_1.3 S1_1.4 S2.1 S2.2 S2.3 S2.4 S2_1.1 S2_1.2 S2_1.3 S2_1.4 U1.1 U1.2 U1.3 U1_1.1 U1_1.2 U1_1.3 U2.1 U2.2 U2.3 U2.4 U2_1.1 U2_1.2 U2_1.3 U2_1.4 U3.1 U3.2 U3.3 U3.4 U3_1.1 U3_1.2 U3_1.3 U3_1.4 U4.1 U4.2 U4.3 U4.4 U4.5 U4.6 U4_1.1 U4_1.2 U4_1.3 U4_1.4 U4_1.5 U4_1.6 U5.0 U5.1 U5.2 U5.3 U5.4 U5.5 U5.6 U5.7 U5.8 U5.9 U5.10 U5.11 U5.12 U5.13 U5.14 U5.15 U5.16 U5.17 U5.18 U5.19 U5.20 U5.21 U5.22 U5.23 U5.24 U5.25 U5.26 U5.27 U5.28 U5_1.0 U5_1.1 U5_1.2 U5_1.3 U5_1.4 U5_1.5 U5_1.6 U5_1.7 U5_1.8 U5_1.9 U5_1.10 U5_1.11 U5_1.12 U5_1.13 U5_1.14 U5_1.15 U5_1.16 U5_1.17 U5_1.18 U5_1.19 U5_1.20 U5_1.21 U5_1.22 U5_1.23 U5_1.24 U5_1.25 U5_1.26 U5_1.27 U5_1.28 U6.1 U6.2 U6.3 U6.4 U6.5 U6.6 U6.7 U6.8 U6.9 U6.10 U6.11 U6.12 U6.13 U6.14 U6.15 U6.16 U6.17 U6.18 U6.19 U6.20 U6.21 U6.22 U6.23 U6.24 U6.25 U6_1.1 U6_1.2 U6_1.3 U6_1.4 U6_1.5 U6_1.6 U6_1.7 U6_1.8 U6_1.9 U6_1.10 U6_1.11 U6_1.12 U6_1.13 U6_1.14 U6_1.15 U6_1.16 U6_1.17 U6_1.18 U6_1.19 U6_1.20 U6_1.21 U6_1.22 U6_1.23 U6_1.24 U6_1.25 U7.1 U7.2 U7.3 U7.4 U7_1.1 U7_1.2 U7_1.3 U7_1.4 U8.1 U8.2 U8.3 U8.4 U8.5 U8.6 U8.7 U8.8 U8.9 U8.10 U8.11 U8.12 U8.13 U8.14 U8.15 U8.16 U8_1.1 U8_1.2 U8_1.3 U8_1.4 U8_1.5 U8_1.6 U8_1.7 U8_1.8 U8_1.9 U8_1.10 U8_1.11 U8_1.12 U8_1.13 U8_1.14 U8_1.15 U8_1.16 U9.1 U9.2 U9.3 U9.4 U9_1.1 U9_1.2 U9_1.3 U9_1.4 U10.1 U10.2 U10.3 U10_1.1 U10_1.2 U10_1.3 U12.1 U12.2 U12.3 U12.4 U12.5 U12.6 U12.7 U12.8 U12.9 U12.10 U12.11 U12.12 U12.13 U12.14 U12.15 U12.16 U12.17 U12.18 U12.19 U12.20 U12.21 U12.22 U12.23 U12.24 U12.25 U12.26 U12.27 U12.28 U12.29 U12.30 U12.31 U12.32 U12.33 U12.34 U12.35 U12.36 U12.37 U12.38 U12.39 U12.40 U12.41 U12.42 U12.43 U12.44 U12.45 U12.46 U12.47 U12.48 U12_1.1 U12_1.2 U12_1.3 U12_1.4 U12_1.5 U12_1.6 U12_1.7 U12_1.8 U12_1.9 U12_1.10 U12_1.11 U12_1.12 U12_1.13 U12_1.14 U12_1.15 U12_1.16 U12_1.17 U12_1.18 U12_1.19 U12_1.20 U12_1.21 U12_1.22 U12_1.23 U12_1.24 U12_1.25 U12_1.26 U12_1.27 U12_1.28 U12_1.29 U12_1.30 U12_1.31 U12_1.32 U12_1.33 U12_1.34 U12_1.35 U12_1.36 U12_1.37 U12_1.38 U12_1.39 U12_1.40 U12_1.41 U12_1.42 U12_1.43 U12_1.44 U12_1.45 U12_1.46 U12_1.47 U12_1.48 U13.1 U13.2 U13.3 U13.4 U13.5 U13.6 U13_1.1 U13_1.2 U13_1.3 U13_1.4 U13_1.5 U13_1.6 U14.1 U14.2 U14.3 U14.4 U14_1.1 U14_1.2 U14_1.3 U14_1.4 U15.1 U15.2 U15.3 U15.4 U15_1.1 U15_1.2 U15_1.3 U15_1.4 U18.1 U18.2 U18.3 U18_1.1 U18_1.2 U18_1.3 Y1.1 Y1.2 Y1_1.1 Y1_1.2